# KiCad board panel.kicad_pcb (continued)
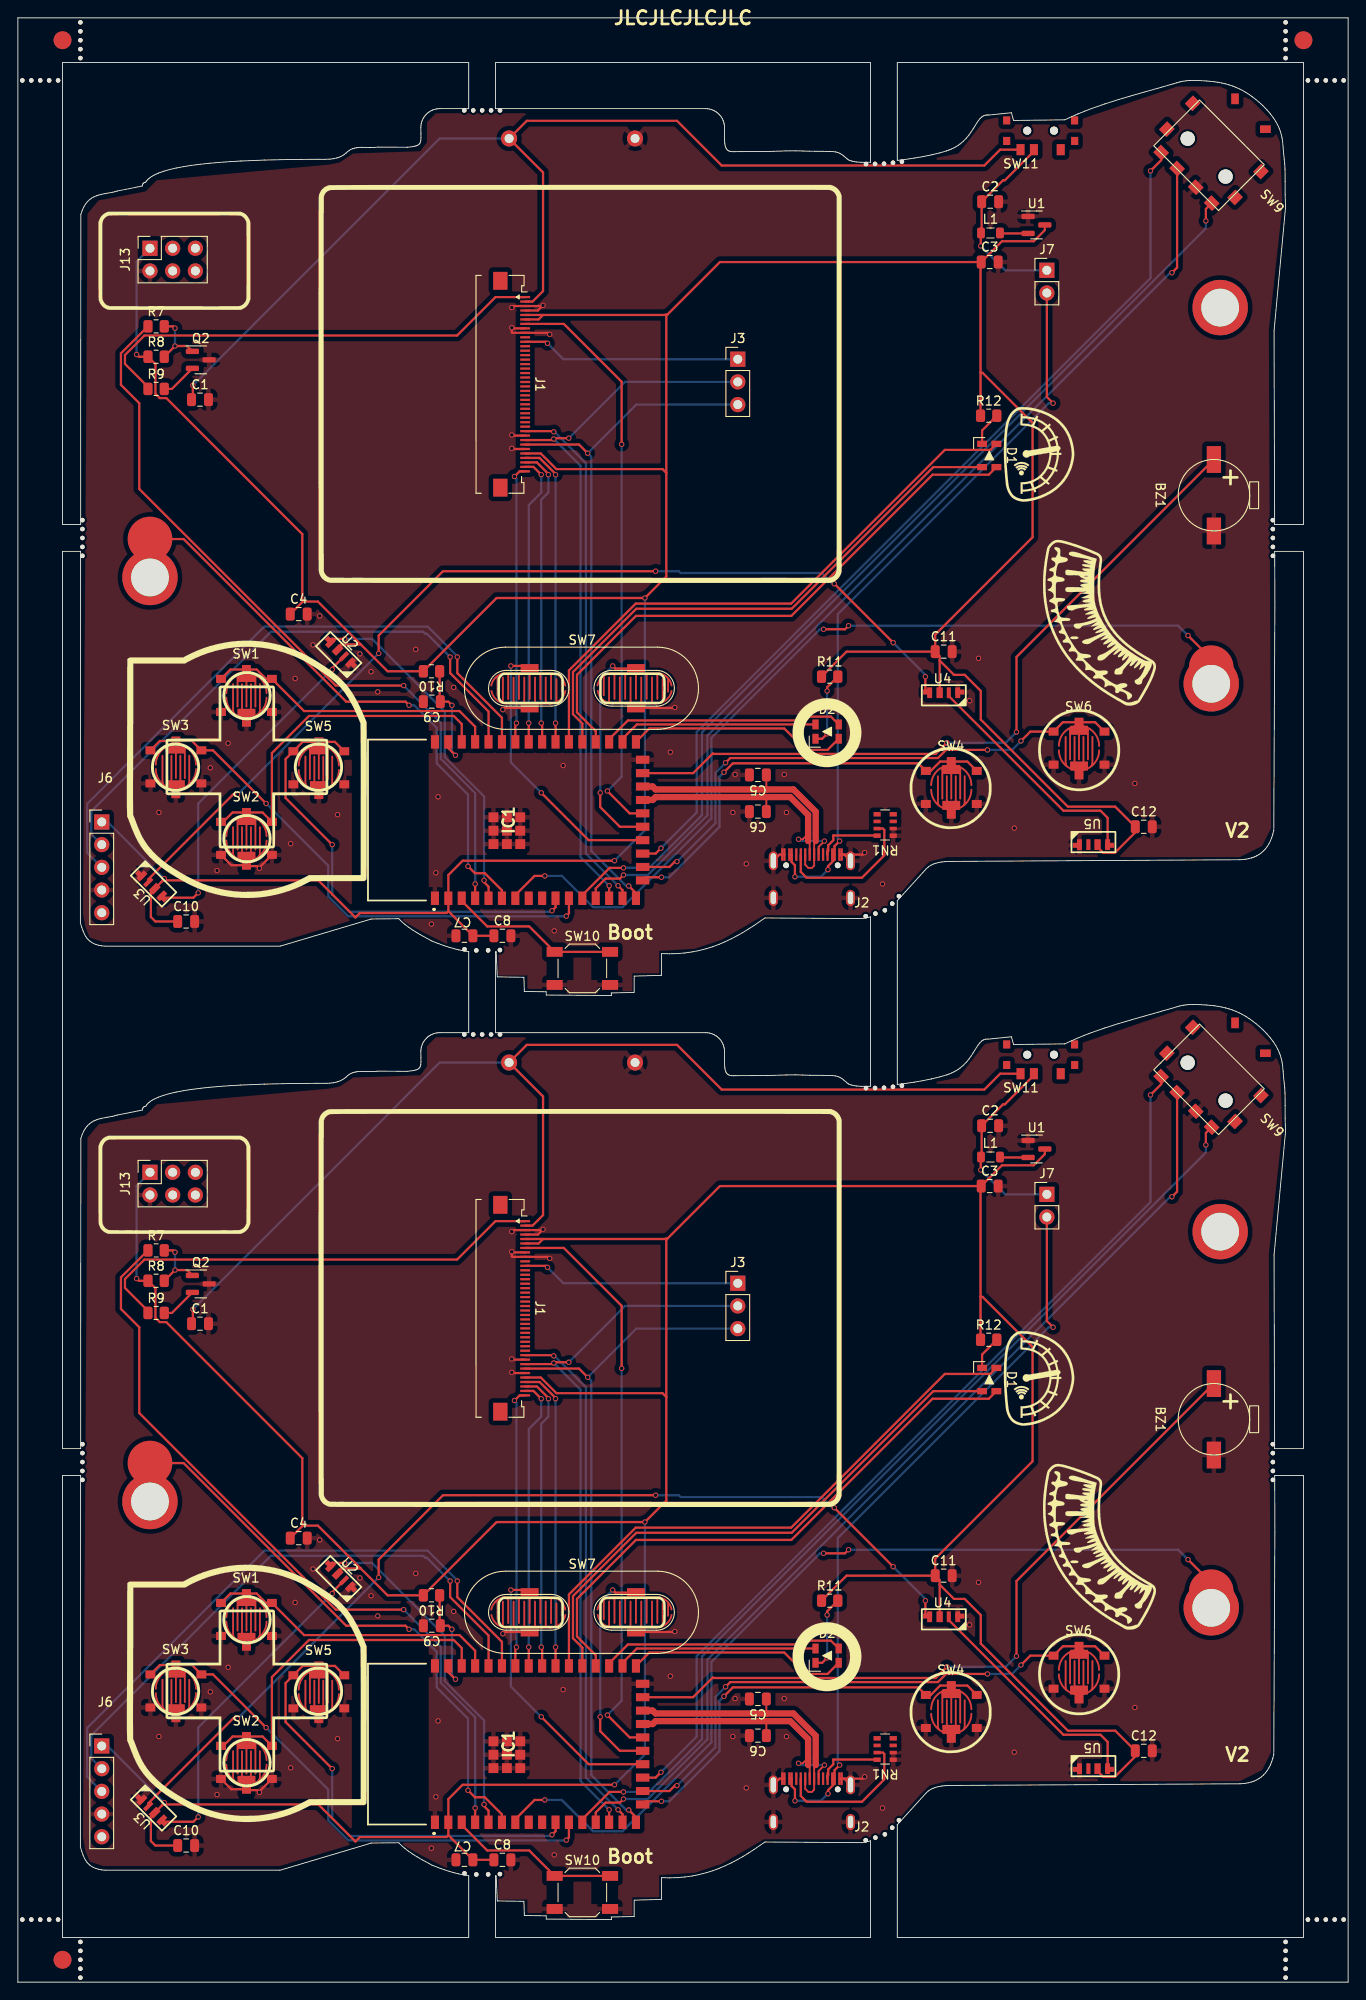
[diagram p0: board, top side]
## Copper pours and planes (outline as drawn; the poured copper is in the pictures) (continued)
Board_0-VSS on Top, Bottom: 7.79,197.9 9.04,199.4 14.29,200.4 15.54,201.65 34.79,203.4 36.04,203.65 37.54,204.65 45.04,204.9 45.79,205.9 45.79,208.15 46.79,209.15 77.04,209.15 78.54,208.15 78.54,205.9 79.29,204.4 90.79,204.4 93.29,203.15 99.04,203.4 105.29,204.65 106.29,205.9 108.04,208.15 108.29,208.4 110.79,208.9 111.04,207.9 117.29,207.9 129.79,212.15 134.54,212.15 138.04,210.65 140.29,208.4 141.29,205.9 141.54,199.4 141.54,198.65 140.04,184.9 140.29,129.15 139.29,127.15 136.79,125.9 104.04,125.9 102.04,125.4 100.79,124.15 97.29,120.15 94.79,119.4 83.54,119.4 78.79,116.65 75.79,115.65 71.79,115.4 71.79,112.9 68.79,112.9 68.79,110.9 66.29,110.9 66.29,110.65 59.29,110.65 59.29,111.15 57.04,111.15 57.04,112.65 53.79,112.65 53.79,115.4 51.54,115.65 48.04,116.15 45.54,117.4 43.29,118.65 42.54,119.4 39.29,119.4 29.29,116.4 9.54,116.4 8.04,116.9 7.54,118.15 7.29,119.65
Board_1-VSS on Top, Bottom: 7.79,94.49 9.04,95.99 14.29,96.99 15.54,98.24 34.79,99.99 36.04,100.24 37.54,101.24 45.04,101.49 45.79,102.49 45.79,104.74 46.79,105.74 77.04,105.74 78.54,104.74 78.54,102.49 79.29,100.99 90.79,100.99 93.29,99.74 99.04,99.99 105.29,101.24 106.29,102.49 108.04,104.74 108.29,104.99 110.79,105.49 111.04,104.49 117.29,104.49 129.79,108.74 134.54,108.74 138.04,107.24 140.29,104.99 141.29,102.49 141.54,95.99 141.54,95.24 140.04,81.49 140.29,25.74 139.29,23.74 136.79,22.49 104.04,22.49 102.04,21.99 100.79,20.74 97.29,16.74 94.79,15.99 83.54,15.99 78.79,13.24 75.79,12.24 71.79,11.99 71.79,9.49 68.79,9.49 68.79,7.49 66.29,7.49 66.29,7.24 59.29,7.24 59.29,7.74 57.04,7.74 57.04,9.24 53.79,9.24 53.79,11.99 51.54,12.24 48.04,12.74 45.54,13.99 43.29,15.24 42.54,15.99 39.29,15.99 29.29,12.99 9.54,12.99 8.04,13.49 7.54,14.74 7.29,16.24

## Text on the board
F.Silkscreen: Boot | V2 | JLCJLCJLCJLC
